# Altium PCB Board.PcbDoc (part 13 of 15) (continued)
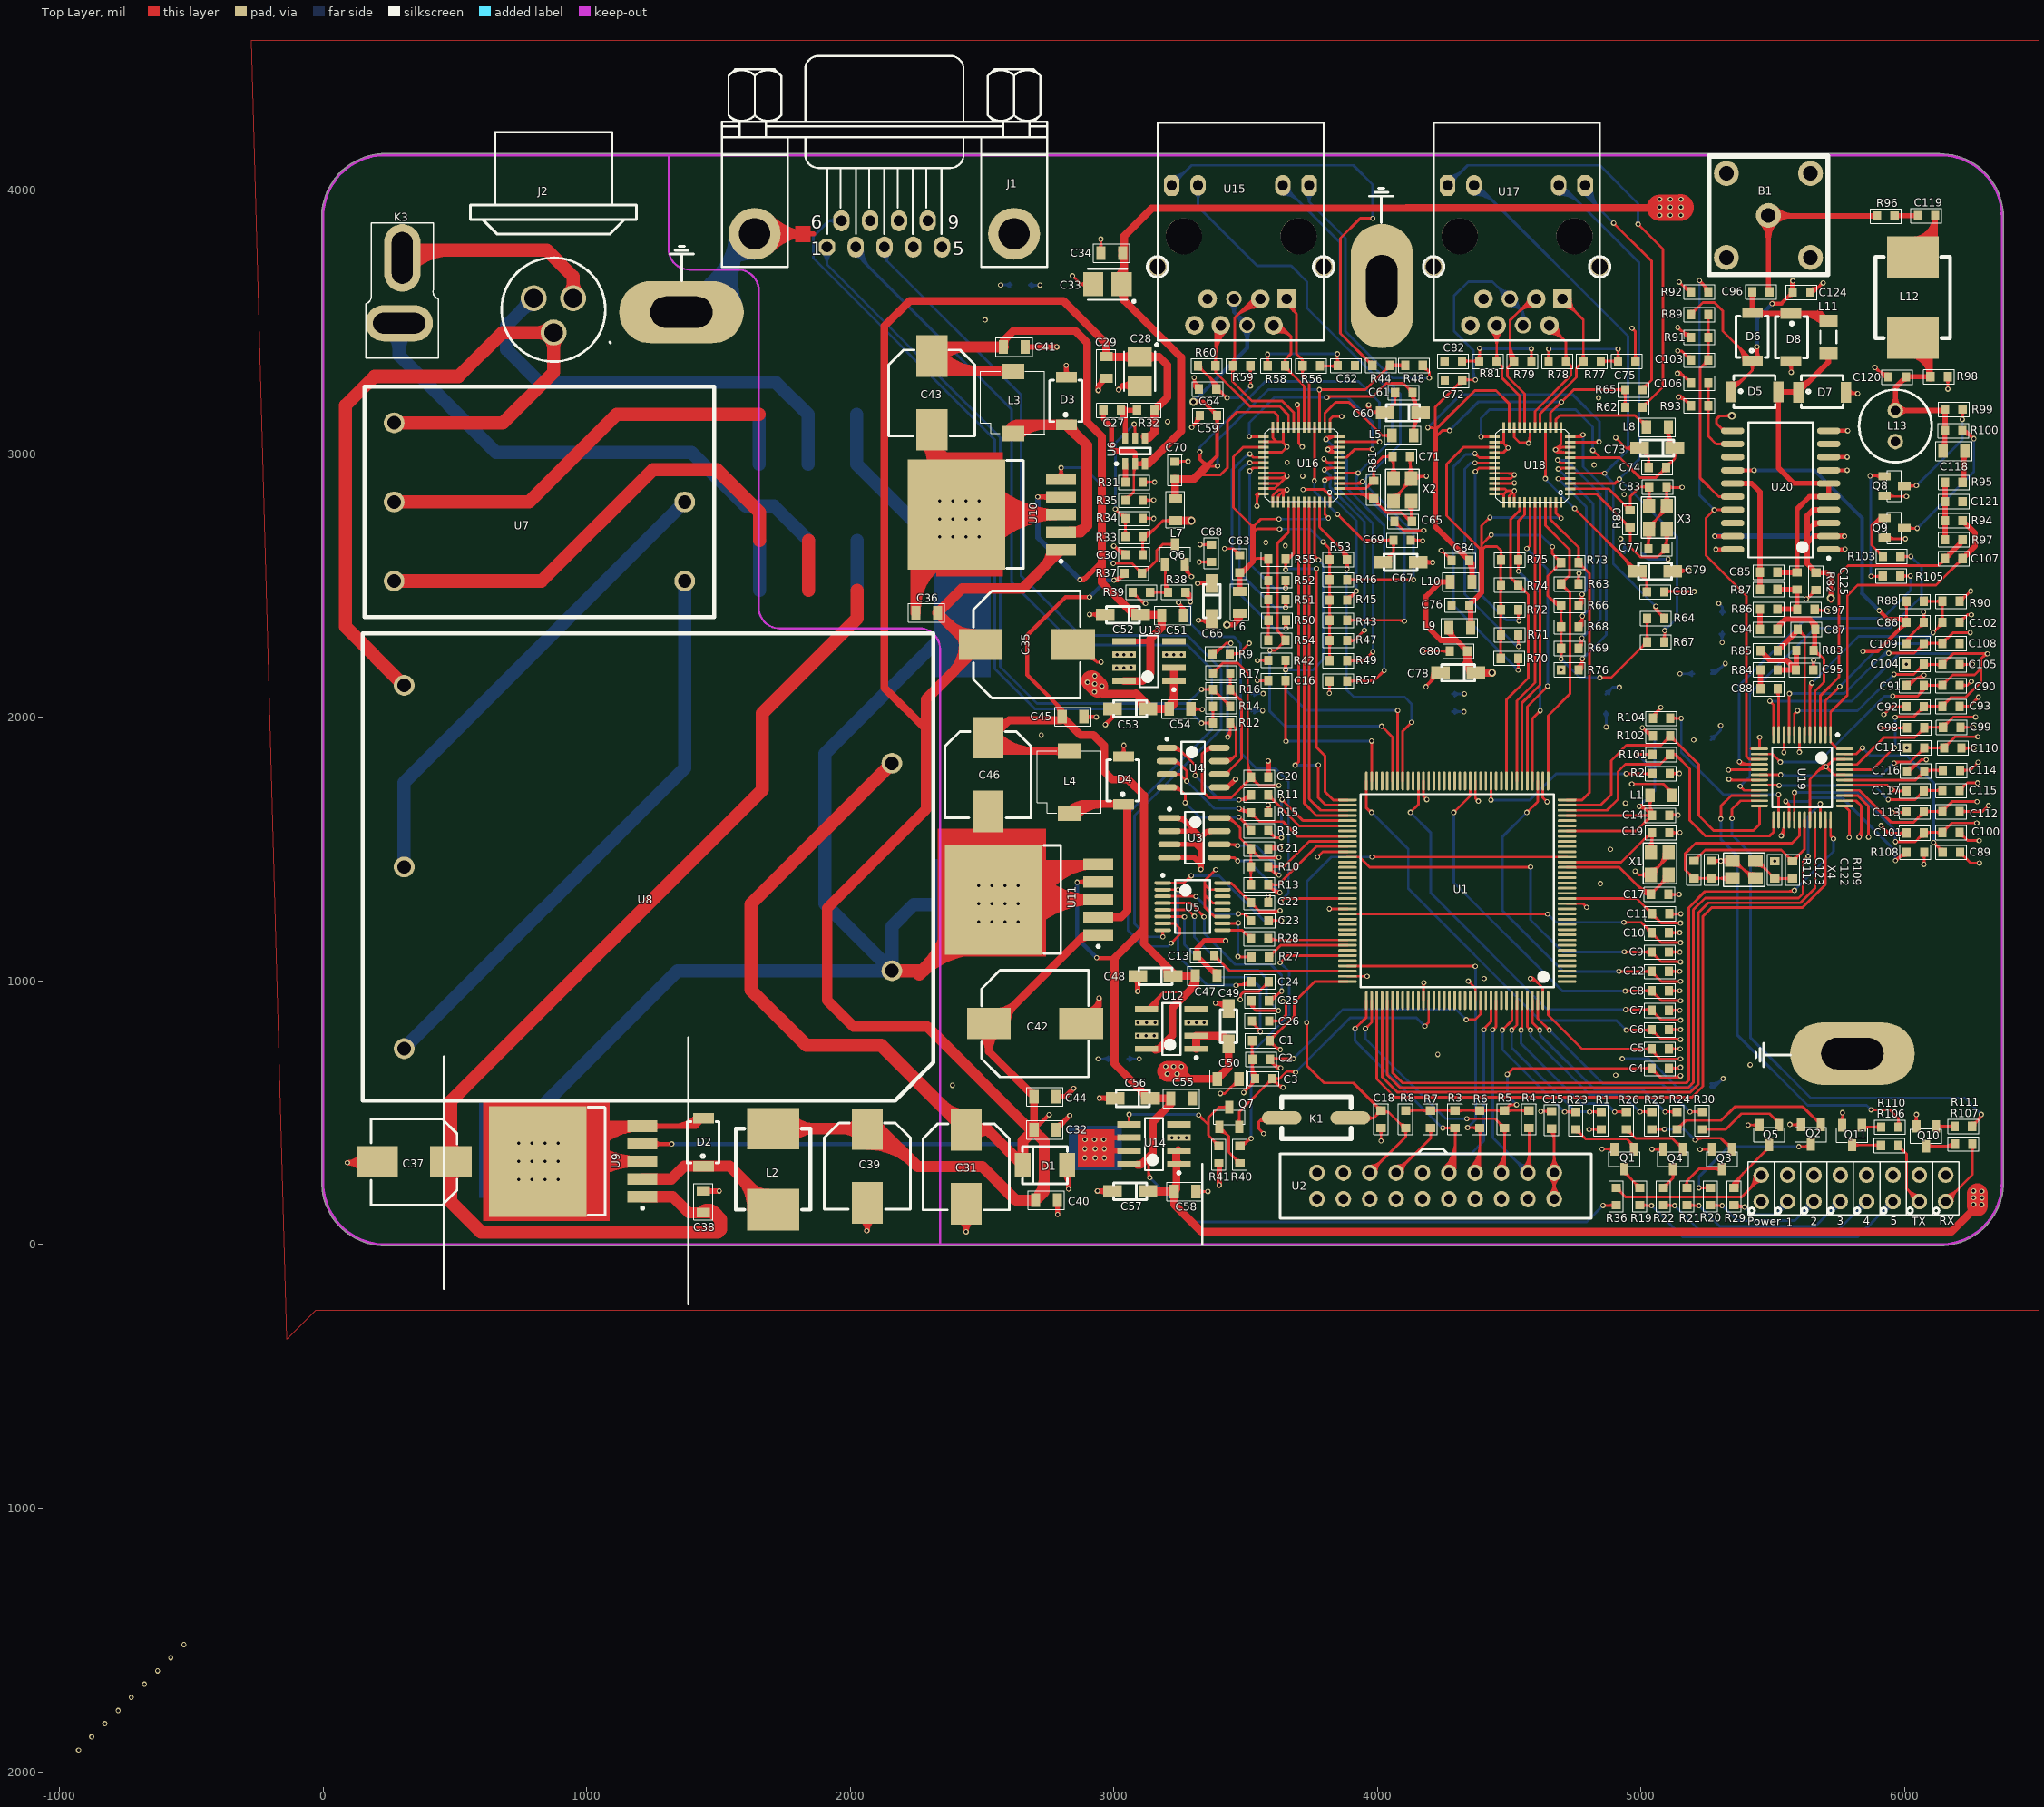
[diagram p0: Top Layer view]
## Nets (pads, with @x,y where several pads share a name; then routed paths per layer and width w, separated by ;. In a path a pad name is that pad's centre, name@x,y a point inside that pad or via, vN(x,y) a via of type N, cw(c..) or ccw(c..) an arc to the next point about the centre after c; other vN are vias at no path point) (continued)
v1@4642.06,1256.98 ; 4634.53,1253.87 ccw(c4634.53,1264.51) v1@4642.06,1256.98 ; v1@4919.13,1032.91 cw(c4927.3,1024.74) 4927.3,1036.3 ; v1@4919.13,1032.91 cw(c4927.3,1024.74) 4927.3,1036.3 ; v1@4919.13,1032.91 cw(c4927.3,1024.74) 4927.3,1036.3 ; v1@4919.13,1039.98 ccw(c4928.03,1048.88) 4928.03,1036.3 ; v1@4919.13,1039.98 ccw(c4928.03,1048.88) 4928.03,1036.3 ; v1@4919.13,1039.98 ccw(c4928.03,1048.88) 4928.03,1036.3 ; v1@4938.13,1218.91 cw(c4946.67,1210.38) 4946.67,1222.45 ; v1@4938.13,1218.91 cw(c4946.67,1210.38) 4946.67,1222.45 ; v1@4938.13,1218.91 cw(c4946.67,1210.38) 4946.67,1222.45 ; v1@4938.13,1225.98 ccw(c4946.67,1234.52) 4946.67,1222.45 ; v1@4938.13,1225.98 ccw(c4946.67,1234.52) 4946.67,1222.45 ; v1@4938.13,1225.98 ccw(c4946.67,1234.52) 4946.67,1222.45 ; v1@4940.13,1106.91 cw(c4947.27,1099.78) 4947.27,1109.87 ; v1@4940.13,1106.91 cw(c4947.27,1099.78) 4947.27,1109.87 ; v1@4940.13,1106.91 cw(c4947.27,1099.78) 4947.27,1109.87 ; v1@4940.13,1113.98 ccw(c4950.07,1123.92) 4950.07,1109.87 ; v1@4940.13,1113.98 ccw(c4950.07,1123.92) 4950.07,1109.87 ; v1@4940.13,1113.98 ccw(c4950.07,1123.92) 4950.07,1109.87 ; v1@4943.13,957.91 cw(c4954.76,946.29) 4954.76,962.73 ; v1@4943.13,957.91 cw(c4954.76,946.29) 4954.76,962.73 ; v1@4943.13,957.91 cw(c4954.76,946.29) 4954.76,962.73 ; v1@4945.13,887.91 cw(c4953.67,879.38) 4953.67,891.45 ; v1@4945.13,887.91 cw(c4953.67,879.38) 4953.67,891.45 ; v1@4945.13,887.91 cw(c4953.67,879.38) 4953.67,891.45 ; v1@4945.13,894.98 ccw(c4953.67,903.52) 4953.67,891.45 ; v1@4945.13,894.98 ccw(c4953.67,903.52) 4953.67,891.45 ; v1@4945.13,894.98 ccw(c4953.67,903.52) 4953.67,891.45 ; v1@4947.13,809.91 cw(c4955.67,801.38) 4955.67,813.45 ; v1@4947.13,809.91 cw(c4955.67,801.38) 4955.67,813.45 ; v1@4947.13,809.91 cw(c4955.67,801.38) 4955.67,813.45 ; v1@4947.13,816.98 ccw(c4955.67,825.52) 4955.67,813.45 ; v1@4947.13,816.98 ccw(c4955.67,825.52) 4955.67,813.45 ; v1@4947.13,816.98 ccw(c4955.67,825.52) 4955.67,813.45 ; v1@4968.13,1743.91 cw(c4976.67,1735.38) 4976.67,1747.45 ; v1@4968.13,1743.91 cw(c4976.67,1735.38) 4976.67,1747.45 ; v1@4968.13,1743.91 cw(c4976.67,1735.38) 4976.67,1747.45 ; v1@4968.13,1750.98 ccw(c4976.67,1759.52) 4976.67,1747.45 ; v1@4968.13,1750.98 ccw(c4976.67,1759.52) 4976.67,1747.45 ; v1@4968.13,1750.98 ccw(c4976.67,1759.52) 4976.67,1747.45 ; 5012.13,741.45 ccw(c5012.13,769.34) C5.2@5031.85,749.62 ; 5012.13,741.45 ccw(c5012.13,769.34) C5.2@5031.85,749.62 ; 5012.13,741.45 ccw(c5012.13,769.34) C5.2@5031.85,749.62 ; 5012.72,891.45 cw(c5012.72,864.4) C7.2@5031.85,883.53 ; 5012.72,891.45 cw(c5012.72,864.4) C7.2@5031.85,883.53 ; 5012.72,891.45 cw(c5012.72,864.4) C7.2@5031.85,883.53 ; 5013.09,813.45 ccw(c5013.09,839.98) C6.2@5031.85,821.22 ; 5013.09,813.45 ccw(c5013.09,839.98) C6.2@5031.85,821.22 ; 5013.09,813.45 ccw(c5013.09,839.98) C6.2@5031.85,821.22 ; 5013.5,668.45 cw(c5013.5,642.5) C4.2@5031.85,660.85 ; 5013.5,668.45 ccw(c5013.5,694.4) C4.2@5031.85,676.05 ; 5013.5,668.45 cw(c5013.5,642.5) C4.2@5031.85,660.85 ; 5013.5,668.45 ccw(c5013.5,694.4) C4.2@5031.85,676.05 ; 5013.5,668.45 ccw(c5013.5,694.4) C4.2@5031.85,676.05 ; 5013.5,668.45 cw(c5013.5,642.5) C4.2@5031.85,660.85 ; 5013.5,962.73 cw(c5013.5,936.78) C8.2@5031.85,955.13 ; 5013.5,962.73 ccw(c5013.5,988.68) C8.2@5031.85,970.33 ; 5013.5,962.73 cw(c5013.5,936.78) C8.2@5031.85,955.13 ; 5013.5,962.73 ccw(c5013.5,988.68) C8.2@5031.85,970.33 ; 5013.5,962.73 ccw(c5013.5,988.68) C8.2@5031.85,970.33 ; 5013.5,962.73 cw(c5013.5,936.78) C8.2@5031.85,955.13 ; 5013.5,1036.3 cw(c5013.5,1010.35) C12.2@5031.85,1028.7 ; 5013.5,1036.3 ccw(c5013.5,1062.25) C12.2@5031.85,1043.9 ; 5013.5,1036.3 cw(c5013.5,1010.35) C12.2@5031.85,1028.7 ; 5013.5,1036.3 ccw(c5013.5,1062.25) C12.2@5031.85,1043.9 ; 5013.5,1036.3 ccw(c5013.5,1062.25) C12.2@5031.85,1043.9 ; 5013.5,1036.3 cw(c5013.5,1010.35) C12.2@5031.85,1028.7 ; 5013.5,1109.87 cw(c5013.5,1083.92) C9.2@5031.85,1102.27 ; 5013.5,1109.87 ccw(c5013.5,1135.82) C9.2@5031.85,1117.47 ; 5013.5,1109.87 cw(c5013.5,1083.92) C9.2@5031.85,1102.27 ; 5013.5,1109.87 ccw(c5013.5,1135.82) C9.2@5031.85,1117.47 ; 5013.5,1109.87 ccw(c5013.5,1135.82) C9.2@5031.85,1117.47 ; 5013.5,1109.87 cw(c5013.5,1083.92) C9.2@5031.85,1102.27 ; 5013.91,813.45 cw(c5013.91,788.08) C6.2@5031.85,806.02 ; 5013.91,813.45 cw(c5013.91,788.08) C6.2@5031.85,806.02 ; 5013.91,813.45 cw(c5013.91,788.08) C6.2@5031.85,806.02 ; 5014.28,891.45 ccw(c5014.28,916.3) C7.2@5031.85,898.73 ; 5014.28,891.45 ccw(c5014.28,916.3) C7.2@5031.85,898.73 ; 5014.28,891.45 ccw(c5014.28,916.3) C7.2@5031.85,898.73 ; 5014.88,741.45 cw(c5014.88,717.45) C5.2@5031.85,734.42 ; 5014.88,741.45 cw(c5014.88,717.45) C5.2@5031.85,734.42 ; 5014.88,741.45 cw(c5014.88,717.45) C5.2@5031.85,734.42 ; 5017.74,1205.15 ccw(c5039.45,1226.85) C10.2@5039.45,1196.15 ; 5017.74,1205.15 ccw(c5039.45,1226.85) C10.2@5039.45,1196.15 ; 5017.74,1205.15 ccw(c5039.45,1226.85) C10.2@5039.45,1196.15 ; 5018.89,1277.16 ccw(c5040.6,1298.87) C11.2@5040.6,1268.17 ; 5018.89,1277.16 ccw(c5040.6,1298.87) C11.2@5040.6,1268.17 ; 5018.89,1277.16 ccw(c5040.6,1298.87) C11.2@5040.6,1268.17 ; 5022.49,1200.39 cw(c5007.51,1185.41) C10.2@5028.7,1185.41 ; 5022.49,1200.39 cw(c5007.51,1185.41) C10.2@5028.7,1185.41 ; 5022.49,1200.39 cw(c5007.51,1185.41) C10.2@5028.7,1185.41 ; 5023.64,1272.4 cw(c5008.65,1257.42) C11.2@5029.85,1257.42 ; 5023.64,1272.4 cw(c5008.65,1257.42) C11.2@5029.85,1257.42 ; 5023.64,1272.4 cw(c5008.65,1257.42) C11.2@5029.85,1257.42 ; C4.2@5039.45,655.73 cw(c5039.45,625.03) 5061.16,646.74 ; C4.2@5039.45,655.73 cw(c5039.45,625.03) 5061.16,646.74 ; C4.2@5039.45,655.73 cw(c5039.45,625.03) 5061.16,646.74 ; C5.2@5039.45,729.3 cw(c5039.45,714.1) C5.2@5050.2,724.85 ; C5.2@5039.45,729.3 cw(c5039.45,714.1) C5.2@5050.2,724.85 ; C5.2@5039.45,729.3 cw(c5039.45,714.1) C5.2@5050.2,724.85 ; C6.2@5039.45,802.87 cw(c5039.45,772.17) 5061.16,793.88 ; C6.2@5039.45,802.87 cw(c5039.45,772.17) 5061.16,793.88 ; C6.2@5039.45,802.87 cw(c5039.45,772.17) 5061.16,793.88 ; C7.2@5039.45,876.44 cw(c5039.45,845.74) 5061.16,867.45 ; C7.2@5039.45,876.44 cw(c5039.45,845.74) 5061.16,867.45 ; C7.2@5039.45,876.44 cw(c5039.45,845.74) 5061.16,867.45 ; C8.2@5039.45,950.01 cw(c5039.45,919.31) 5061.16,941.02 ; C8.2@5039.45,950.01 cw(c5039.45,919.31) 5061.16,941.02 ; C8.2@5039.45,950.01 cw(c5039.45,919.31) 5061.16,941.02 ; C12.2@5039.45,1023.58 cw(c5039.45,992.88) 5061.16,1014.59 ; C12.2@5039.45,1023.58 cw(c5039.45,992.88) 5061.16,1014.59 ; C12.2@5039.45,1023.58 cw(c5039.45,992.88) 5061.16,1014.59 ; C9.2@5039.45,1097.15 cw(c5039.45,1066.45) 5061.16,1088.16 ; C9.2@5039.45,1097.15 cw(c5039.45,1066.45) 5061.16,1088.16 ; C9.2@5039.45,1097.15 cw(c5039.45,1066.45) 5061.16,1088.16 ; C10.2@5039.45,1170.72 cw(c5039.45,1140.02) 5061.16,1161.73 ; C10.2@5039.45,1170.72 cw(c5039.45,1140.02) 5061.16,1161.73 ; C10.2@5039.45,1170.72 cw(c5039.45,1140.02) 5061.16,1161.73 ; C11.2@5040.6,1242.73 cw(c5040.6,1212.03) 5062.31,1233.74 ; C11.2@5040.6,1242.73 cw(c5040.6,1212.03) 5062.31,1233.74 ; C11.2@5040.6,1242.73 cw(c5040.6,1212.03) 5062.31,1233.74 ; C4.2@5050.2,666.48 ccw(c5071.39,666.48) 5056.4,651.49 ; C4.2@5050.2,666.48 ccw(c5071.39,666.48) 5056.4,651.49 ; C4.2@5050.2,666.48 ccw(c5071.39,666.48) 5056.4,651.49 ; C5.2@5050.2,740.05 ccw(c5086.89,740.05) 5060.94,714.1 ; C5.2@5050.2,740.05 ccw(c5086.89,740.05) 5060.94,714.1 ; C5.2@5050.2,740.05 ccw(c5086.89,740.05) 5060.94,714.1 ; C6.2@5050.2,813.62 ccw(c5071.39,813.62) 5056.4,798.63 ; C6.2@5050.2,813.62 ccw(c5071.39,813.62) 5056.4,798.63 ; C6.2@5050.2,813.62 ccw(c5071.39,813.62) 5056.4,798.63 ; C7.2@5050.2,887.19 ccw(c5071.39,887.19) 5056.4,872.2 ; C7.2@5050.2,887.19 ccw(c5071.39,887.19) 5056.4,872.2 ; C7.2@5050.2,887.19 ccw(c5071.39,887.19) 5056.4,872.2 ; C8.2@5050.2,960.76 ccw(c5071.39,960.76) 5056.4,945.77 ; C8.2@5050.2,960.76 ccw(c5071.39,960.76) 5056.4,945.77 ; C8.2@5050.2,960.76 ccw(c5071.39,960.76) 5056.4,945.77 ; C12.2@5050.2,1034.33 ccw(c5071.39,1034.33) 5056.4,1019.34 ; C12.2@5050.2,1034.33 ccw(c5071.39,1034.33) 5056.4,1019.34 ; C12.2@5050.2,1034.33 ccw(c5071.39,1034.33) 5056.4,1019.34 ; C9.2@5050.2,1107.9 ccw(c5071.39,1107.9) 5056.4,1092.91 ; C9.2@5050.2,1107.9 ccw(c5071.39,1107.9) 5056.4,1092.91 ; C9.2@5050.2,1107.9 ccw(c5071.39,1107.9) 5056.4,1092.91 ; C10.2@5050.2,1181.47 ccw(c5071.39,1181.47) 5056.4,1166.48 ; C10.2@5050.2,1181.47 ccw(c5071.39,1181.47) 5056.4,1166.48 ; C10.2@5050.2,1181.47 ccw(c5071.39,1181.47) 5056.4,1166.48 ; C11.2@5051.35,1253.48 ccw(c5072.54,1253.48) 5057.55,1238.49 ; C11.2@5051.35,1253.48 ccw(c5072.54,1253.48) 5057.55,1238.49 ; C11.2@5051.35,1253.48 ccw(c5072.54,1253.48) 5057.55,1238.49 ; 5093.39,1737.66 cw(c5068.05,1712.32) L1.1@5103.88,1712.32 ; 5093.39,1737.66 cw(c5068.05,1712.32) L1.1@5103.88,1712.32 ; 5093.39,1737.66 cw(c5068.05,1712.32) L1.1@5103.88,1712.32 ; 5098.52,1732.53 ccw(c5116.6,1750.61) L1.1@5116.6,1725.04 ; 5098.52,1732.53 ccw(c5116.6,1750.61) L1.1@5116.6,1725.04 ; 5098.52,1732.53 ccw(c5116.6,1750.61) L1.1@5116.6,1725.04 ; 5134.08,779.45 cw(c5134.08,762.5) v1@5146.06,774.48 ; 5134.08,779.45 cw(c5134.08,762.5) v1@5146.06,774.48 ; 5134.08,779.45 cw(c5134.08,762.5) v1@5146.06,774.48 ; 5134.77,1073.45 cw(c5134.77,1057.48) v1@5146.06,1068.77 ; 5134.77,1073.45 cw(c5134.77,1057.48) v1@5146.06,1068.77 ; 5134.77,1073.45 cw(c5134.77,1057.48) v1@5146.06,1068.77 ; 5135.46,852.45 cw(c5135.46,837.45) v1@5146.06,848.06 ; 5135.46,852.45 cw(c5135.46,837.45) v1@5146.06,848.06 ; 5135.46,852.45 cw(c5135.46,837.45) v1@5146.06,848.06 ; 5136.15,1146.45 cw(c5136.15,1132.43) v1@5146.06,1142.34 ; 5136.15,1146.45 cw(c5136.15,1132.43) v1@5146.06,1142.34 ; 5136.15,1146.45 cw(c5136.15,1132.43) v1@5146.06,1142.34 ; 5136.84,925.45 cw(c5136.84,912.4) v1@5146.06,921.63 ; 5136.84,925.45 cw(c5136.84,912.4) v1@5146.06,921.63 ; 5136.84,925.45 cw(c5136.84,912.4) v1@5146.06,921.63 ; 5136.84,998.45 ccw(c5136.84,1011.5) v1@5146.06,1002.27 ; 5136.84,998.45 ccw(c5136.84,1011.5) v1@5146.06,1002.27 ; 5136.84,998.45 ccw(c5136.84,1011.5) v1@5146.06,1002.27 ; 5137.53,704.45 cw(c5137.53,692.38) v1@5146.06,700.91 ; 5137.53,704.45 ccw(c5137.53,716.52) v1@5146.06,707.98 ; 5137.53,704.45 cw(c5137.53,692.38) v1@5146.06,700.91 ; 5137.53,704.45 ccw(c5137.53,716.52) v1@5146.06,707.98 ; 5137.53,704.45 ccw(c5137.53,716.52) v1@5146.06,707.98 ; 5137.53,704.45 cw(c5137.53,692.38) v1@5146.06,700.91 ; 5137.53,1219.45 cw(c5137.53,1207.38) v1@5146.06,1215.91 ; 5137.53,1219.45 ccw(c5137.53,1231.52) v1@5146.06,1222.98 ; 5137.53,1219.45 cw(c5137.53,1207.38) v1@5146.06,1215.91 ; 5137.53,1219.45 ccw(c5137.53,1231.52) v1@5146.06,1222.98 ; 5137.53,1219.45 ccw(c5137.53,1231.52) v1@5146.06,1222.98 ; 5137.53,1219.45 cw(c5137.53,1207.38) v1@5146.06,1215.91 ; 5138.22,925.45 ccw(c5138.22,936.54) v1@5146.06,928.7 ; 5138.22,925.45 ccw(c5138.22,936.54) v1@5146.06,928.7 ; 5138.22,925.45 ccw(c5138.22,936.54) v1@5146.06,928.7 ; 5138.22,998.45 cw(c5138.22,987.35) v1@5146.06,995.2 ; 5138.22,998.45 cw(c5138.22,987.35) v1@5146.06,995.2 ; 5138.22,998.45 cw(c5138.22,987.35) v1@5146.06,995.2 ; 5138.91,1146.45 ccw(c5138.91,1156.57) v1@5146.06,1149.41 ; 5138.91,1146.45 ccw(c5138.91,1156.57) v1@5146.06,1149.41 ; 5138.91,1146.45 ccw(c5138.91,1156.57) v1@5146.06,1149.41 ; 5139.6,852.45 ccw(c5139.6,861.59) v1@5146.06,855.13 ; 5139.6,852.45 ccw(c5139.6,861.59) v1@5146.06,855.13 ; 5139.6,852.45 ccw(c5139.6,861.59) v1@5146.06,855.13 ; 3350.17,1877.02 cw(c3360.49,1866.71) 3368.64,1878.8 ccw(c3360.49,1866.71) 3350.17,1877.02 ; 3358.75,1885.6 cw(c3367.4,1876.96) 3374.23,1887.09 ccw(c3367.4,1876.96) 3358.75,1885.6 ; U5.16@3437.08,1370.25 cw(c3441.31,1359.33) 3449.6,1367.61 ccw(c3441.31,1359.33) U5.16@3437.08,1370.25 ; 5118.21,632.45 ccw(c5118.21,671.83) 5146.06,643.98 cw(c5118.21,671.83) 5118.21,632.45 ; 5142.36,632.45 ccw(c5142.36,647.69) 5153.13,636.91 cw(c5142.36,647.69) 5142.36,632.45
  Top Layer w30: v1@3252.4,678.16 ccw(c3266.32,669.17) 3254.6,657.45 3283.6,628.45 C50.1@3392.6,628.45 3435.6,671.45 C49.2@3435.6,761.51 3404.66,792.45 ; U12.1@3312.6,742.45 U12.2@3312.6,792.45 3404.66,792.45 ; C49.2@3434.66,781.89 cw(c3430.67,818.45) 3404.66,792.45 ; v1@3239.6,652.45 cw(c3239.6,604.16) 3273.74,638.31 ; v1@3239.6,652.45 cw(c3239.6,604.16) 3273.74,638.31 ; v1@3239.6,652.45 cw(c3239.6,604.16) 3273.74,638.31 ; v1@3251.6,675.45 ccw(c3287.81,675.45) 3262.21,649.84 ; v1@3251.6,675.45 ccw(c3287.81,675.45) 3262.21,649.84 ; v1@3251.6,675.45 ccw(c3287.81,675.45) 3262.21,649.84 ; 3368.61,792.45 cw(c3368.61,706.33) C49.2@3429.5,767.23 ; 3368.61,792.45 cw(c3368.61,706.33) C49.2@3429.5,767.23 ; 3368.61,792.45 cw(c3368.61,706.33) C49.2@3429.5,767.23 ; C50.1@3392.6,639.04 ccw(c3392.6,664.61) 3410.68,646.53 ; C50.1@3392.6,639.04 ccw(c3392.6,664.61) 3410.68,646.53 ; C50.1@3392.6,639.04 ccw(c3392.6,664.61) 3410.68,646.53 ; 3404.66,792.45 cw(c3404.66,769.95) C49.2@3427.03,772.39 ; 3404.66,792.45 cw(c3404.66,769.95) C49.2@3427.03,772.39 ; 3404.66,792.45 cw(c3404.66,769.95) C49.2@3427.03,772.39 ; v1@3238.16,652.24 cw(c3246.53,624.38) 3267.1,644.95 ccw(c3246.53,624.38) v1@3238.16,652.24 ; 3410.57,786.54 ccw(c3425.71,801.69) 3432.76,781.46 cw(c3425.71,801.69) 3410.57,786.54
  Top Layer w80: 3204.6,657.45 3243.6,657.45
  Bottom Layer w10: C.1@3051.6,704.45 v1(3096.6,704.45) ; C.1@3059.2,696.85 cw(c3077.55,678.5) 3077.55,704.45 cw(c3077.55,730.4) C.1@3059.2,712.05 ; v1@3093.06,700.91 ccw(c3084.53,692.38) 3084.53,704.45 ccw(c3084.53,716.52) v1@3093.06,707.98 ; C.2@3522.6,2023.45 3524.6,2025.45 v1(3564.6,2025.45) ; C.2@3532.17,2015.85 cw(c3555.34,1992.67) v1@3555.34,2025.45 ; C.2@3532.17,2031.05 ccw(c3545.69,2044.57) 3545.69,2025.45 ; v1@3561.06,2021.91 ccw(c3552.53,2013.38) 3552.53,2025.45 ccw(c3552.53,2037.52) v1@3561.06,2028.98 ; v1(3625.6,1468.45) v1@3625.6,1472.45 ; v1(3681.6,705.45) 3867.6,891.45 4298.6,891.45 v1(4336.6,853.45) ; v1(3689.6,653.45) 3896.6,860.45 4147.6,860.45 v1(4179.6,828.45) ; v1(3977.6,1639.45) 4116.6,1500.45 4116.6,1350.45 4616.6,850.45 4906.6,850.45 v1(4943.6,813.45) ; v1(4124.6,1639.45) 4202.6,1561.45 4202.6,1333.45 4644.6,891.45 v1(4941.6,891.45) ; C.2@4283.6,2022.45 4284.6,2021.45 v1(4328.6,2021.45) ; v1(4289.6,1639.45) 4289.6,1373.45 4701.6,961.45 v1(4939.6,961.45) ; C.2@4293.17,2014.85 cw(c4309.1,1998.91) 4309.1,2021.45 ; C.2@4293.17,2030.05 ccw(c4313.93,2050.81) 4313.93,2021.45 ; v1@4325.06,2017.91 ccw(c4316.53,2009.38) 4316.53,2021.45 ccw(c4316.53,2033.52) v1@4325.06,2024.98 ; v1(4492.6,645.45) 4492.6,565.45 v1(4527.6,530.45) ; v1(4566.6,1639.45) 4474.6,1547.45 4474.6,1266.45 4704.6,1036.45 v1(4915.6,1036.45) ; v1(4580.6,1432.45) 4580.6,1232.45 4702.6,1110.45 v1(4936.6,1110.45) ; v1(4645.6,1253.45) 4676.6,1222.45 v1(4934.6,1222.45) ; C.2@4859.97,2013.85 cw(c4841.54,1995.42) 4867.6,1995.42 ; v1@4864.06,1966.98 ccw(c4855.53,1975.52) 4867.6,1975.52 ccw(c4879.67,1975.52) v1@4871.13,1966.98 ; C.2@4865.6,2021.45 4867.6,2019.45 v1(4867.6,1963.45) ; 4867.6,1995.58 cw(c4893.44,1995.58) C.2@4875.17,2013.85 ; v1@4928.6,706.45 5027.6,706.45 5136.6,597.45 C.2@5197.6,597.45 ; v1@4932.13,701.91 cw(c4943.08,690.96) 4943.08,706.45 ; C.2@5190,589.85 ccw(c5171.65,571.5) 5171.65,597.45 ccw(c5171.65,623.4) C.2@5190,605.05 ; v1@3681.6,710.45 ccw(c3681.6,722.52) 3690.13,713.98 ; v1@3681.6,710.45 ccw(c3681.6,722.52) 3690.13,713.98 ; v1@3681.6,710.45 ccw(c3681.6,722.52) 3690.13,713.98 ; v1@3686.6,705.45 cw(c3698.67,705.45) 3690.13,713.98 ; v1@3686.6,705.45 cw(c3698.67,705.45) 3690.13,713.98 ; v1@3686.6,705.45 cw(c3698.67,705.45) 3690.13,713.98 ; v1@3689.6,658.45 ccw(c3689.6,670.52) 3698.13,661.98 ; v1@3689.6,658.45 ccw(c3689.6,670.52) 3698.13,661.98 ; v1@3689.6,658.45 ccw(c3689.6,670.52) 3698.13,661.98 ; v1@3694.6,653.45 cw(c3706.67,653.45) 3698.13,661.98 ; v1@3694.6,653.45 cw(c3706.67,653.45) 3698.13,661.98 ; v1@3694.6,653.45 cw(c3706.67,653.45) 3698.13,661.98 ; v1@3977.6,1634.45 cw(c3977.6,1622.38) 3986.13,1630.91 ; v1@3977.6,1634.45 cw(c3977.6,1622.38) 3986.13,1630.91 ; v1@3977.6,1634.45 cw(c3977.6,1622.38) 3986.13,1630.91 ; v1@3982.6,1639.45 ccw(c3994.67,1639.45) 3986.13,1630.91 ; v1@3982.6,1639.45 ccw(c3994.67,1639.45) 3986.13,1630.91 ; v1@3982.6,1639.45 ccw(c3994.67,1639.45) 3986.13,1630.91 ; v1@4124.6,1634.45 cw(c4124.6,1622.38) 4133.13,1630.91 ; v1@4124.6,1634.45 cw(c4124.6,1622.38) 4133.13,1630.91 ; v1@4124.6,1634.45 cw(c4124.6,1622.38) 4133.13,1630.91 ; v1@4129.6,1639.45 ccw(c4141.67,1639.45) 4133.13,1630.91 ; v1@4129.6,1639.45 ccw(c4141.67,1639.45) 4133.13,1630.91 ; v1@4129.6,1639.45 ccw(c4141.67,1639.45) 4133.13,1630.91 ; 4171.06,836.98 cw(c4162.53,828.45) v1@4174.6,828.45 ; 4171.06,836.98 ccw(c4179.6,845.52) v1@4179.6,833.45 ; 4171.06,836.98 cw(c4162.53,828.45) v1@4174.6,828.45 ; 4171.06,836.98 ccw(c4179.6,845.52) v1@4179.6,833.45 ; 4171.06,836.98 ccw(c4179.6,845.52) v1@4179.6,833.45 ; 4171.06,836.98 cw(c4162.53,828.45) v1@4174.6,828.45 ; v1@4286.06,1635.91 cw(c4277.53,1627.38) 4289.6,1627.38 ; v1@4286.06,1635.91 cw(c4277.53,1627.38) 4289.6,1627.38 ; v1@4286.06,1635.91 cw(c4277.53,1627.38) 4289.6,1627.38 ; 4289.6,1627.38 cw(c4301.67,1627.38) v1@4293.13,1635.91 ; 4289.6,1627.38 cw(c4301.67,1627.38) v1@4293.13,1635.91 ; 4289.6,1627.38 cw(c4301.67,1627.38) v1@4293.13,1635.91 ; 4328.06,861.98 cw(c4319.53,853.45) v1@4331.6,853.45 ; 4328.06,861.98 ccw(c4336.6,870.52) v1@4336.6,858.45 ; 4328.06,861.98 cw(c4319.53,853.45) v1@4331.6,853.45 ; 4328.06,861.98 ccw(c4336.6,870.52) v1@4336.6,858.45 ; 4328.06,861.98 ccw(c4336.6,870.52) v1@4336.6,858.45 ; 4328.06,861.98 cw(c4319.53,853.45) v1@4331.6,853.45 ; v1@4489.06,641.91 cw(c4480.53,633.38) 4492.6,633.38 ; v1@4489.06,641.91 cw(c4480.53,633.38) 4492.6,633.38 ; v1@4489.06,641.91 cw(c4480.53,633.38) 4492.6,633.38 ; 4492.6,633.38 cw(c4504.67,633.38) v1@4496.13,641.91 ; 4492.6,633.38 cw(c4504.67,633.38) v1@4496.13,641.91 ; 4492.6,633.38 cw(c4504.67,633.38) v1@4496.13,641.91 ; 4519.06,538.98 cw(c4510.53,530.45) v1@4522.6,530.45 ; 4519.06,538.98 ccw(c4527.6,547.52) v1@4527.6,535.45 ; 4519.06,538.98 cw(c4510.53,530.45) v1@4522.6,530.45 ; 4519.06,538.98 ccw(c4527.6,547.52) v1@4527.6,535.45 ; 4519.06,538.98 ccw(c4527.6,547.52) v1@4527.6,535.45 ; 4519.06,538.98 cw(c4510.53,530.45) v1@4522.6,530.45 ; 4558.06,1630.91 cw(c4566.6,1622.38) v1@4566.6,1634.45 ; 4558.06,1630.91 ccw(c4549.53,1639.45) v1@4561.6,1639.45 ; 4558.06,1630.91 cw(c4566.6,1622.38) v1@4566.6,1634.45 ; 4558.06,1630.91 ccw(c4549.53,1639.45) v1@4561.6,1639.45 ; 4558.06,1630.91 ccw(c4549.53,1639.45) v1@4561.6,1639.45 ; 4558.06,1630.91 cw(c4566.6,1622.38) v1@4566.6,1634.45 ; v1@4577.06,1428.91 cw(c4568.53,1420.38) 4580.6,1420.38 ; v1@4577.06,1428.91 cw(c4568.53,1420.38) 4580.6,1420.38 ; v1@4577.06,1428.91 cw(c4568.53,1420.38) 4580.6,1420.38 ; 4580.6,1420.38 cw(c4592.67,1420.38) v1@4584.13,1428.91 ; 4580.6,1420.38 cw(c4592.67,1420.38) v1@4584.13,1428.91 ; 4580.6,1420.38 cw(c4592.67,1420.38) v1@4584.13,1428.91 ; v1@4645.6,1248.45 cw(c4645.6,1236.38) 4654.13,1244.91 ; v1@4645.6,1248.45 cw(c4645.6,1236.38) 4654.13,1244.91 ; v1@4645.6,1248.45 cw(c4645.6,1236.38) 4654.13,1244.91 ; v1@4650.6,1253.45 ccw(c4662.67,1253.45) 4654.13,1244.91 ; v1@4650.6,1253.45 ccw(c4662.67,1253.45) 4654.13,1244.91 ; v1@4650.6,1253.45 ccw(c4662.67,1253.45) 4654.13,1244.91 ; 4903.53,1036.45 cw(c4903.53,1024.38) v1@4912.06,1032.91 ; 4903.53,1036.45 ccw(c4903.53,1048.52) v1@4912.06,1039.98 ; 4903.53,1036.45 cw(c4903.53,1024.38) v1@4912.06,1032.91 ; 4903.53,1036.45 ccw(c4903.53,1048.52) v1@4912.06,1039.98 ; 4903.53,1036.45 ccw(c4903.53,1048.52) v1@4912.06,1039.98 ; 4903.53,1036.45 cw(c4903.53,1024.38) v1@4912.06,1032.91 ; 4922.53,1222.45 cw(c4922.53,1210.38) v1@4931.06,1218.91 ; 4922.53,1222.45 ccw(c4922.53,1234.52) v1@4931.06,1225.98 ; 4922.53,1222.45 cw(c4922.53,1210.38) v1@4931.06,1218.91 ; 4922.53,1222.45 ccw(c4922.53,1234.52) v1@4931.06,1225.98 ; 4922.53,1222.45 ccw(c4922.53,1234.52) v1@4931.06,1225.98 ; 4922.53,1222.45 cw(c4922.53,1210.38) v1@4931.06,1218.91 ; 4924.53,1110.45 cw(c4924.53,1098.38) v1@4933.06,1106.91 ; 4924.53,1110.45 ccw(c4924.53,1122.52) v1@4933.06,1113.98 ; 4924.53,1110.45 cw(c4924.53,1098.38) v1@4933.06,1106.91 ; 4924.53,1110.45 ccw(c4924.53,1122.52) v1@4933.06,1113.98 ; 4924.53,1110.45 ccw(c4924.53,1122.52) v1@4933.06,1113.98 ; 4924.53,1110.45 cw(c4924.53,1098.38) v1@4933.06,1106.91 ; 4927.53,961.45 cw(c4927.53,949.38) v1@4936.06,957.91 ; 4927.53,961.45 ccw(c4927.53,973.52) v1@4936.06,964.98 ; 4927.53,961.45 cw(c4927.53,949.38) v1@4936.06,957.91 ; 4927.53,961.45 ccw(c4927.53,973.52) v1@4936.06,964.98 ; 4927.53,961.45 ccw(c4927.53,973.52) v1@4936.06,964.98 ; 4927.53,961.45 cw(c4927.53,949.38) v1@4936.06,957.91 ; 4929.53,891.45 cw(c4929.53,879.38) v1@4938.06,887.91 ; 4929.53,891.45 ccw(c4929.53,903.52) v1@4938.06,894.98 ; 4929.53,891.45 cw(c4929.53,879.38) v1@4938.06,887.91 ; 4929.53,891.45 ccw(c4929.53,903.52) v1@4938.06,894.98 ; 4929.53,891.45 ccw(c4929.53,903.52) v1@4938.06,894.98 ; 4929.53,891.45 cw(c4929.53,879.38) v1@4938.06,887.91 ; 4935.06,821.98 cw(c4926.53,813.45) v1@4938.6,813.45 ; 4935.06,821.98 ccw(c4943.6,830.52) v1@4943.6,818.45 ; 4935.06,821.98 cw(c4926.53,813.45) v1@4938.6,813.45 ; 4935.06,821.98 ccw(c4943.6,830.52) v1@4943.6,818.45 ; 4935.06,821.98 ccw(c4943.6,830.52) v1@4943.6,818.45 ; 4935.06,821.98 cw(c4926.53,813.45) v1@4938.6,813.45
  other v1: 3202.6,647.45 3239.6,647.45 3196.6,675.45 3226.6,675.45 3256.6,675.45 4928.6,705.45 5149.6,778.02 5149.6,851.59 5149.6,925.16 5149.6,998.73 5149.6,1072.31 5149.6,1145.88 5199.6,1914.45